# KiCad board px16_regfile.kicad_pcb (continued)
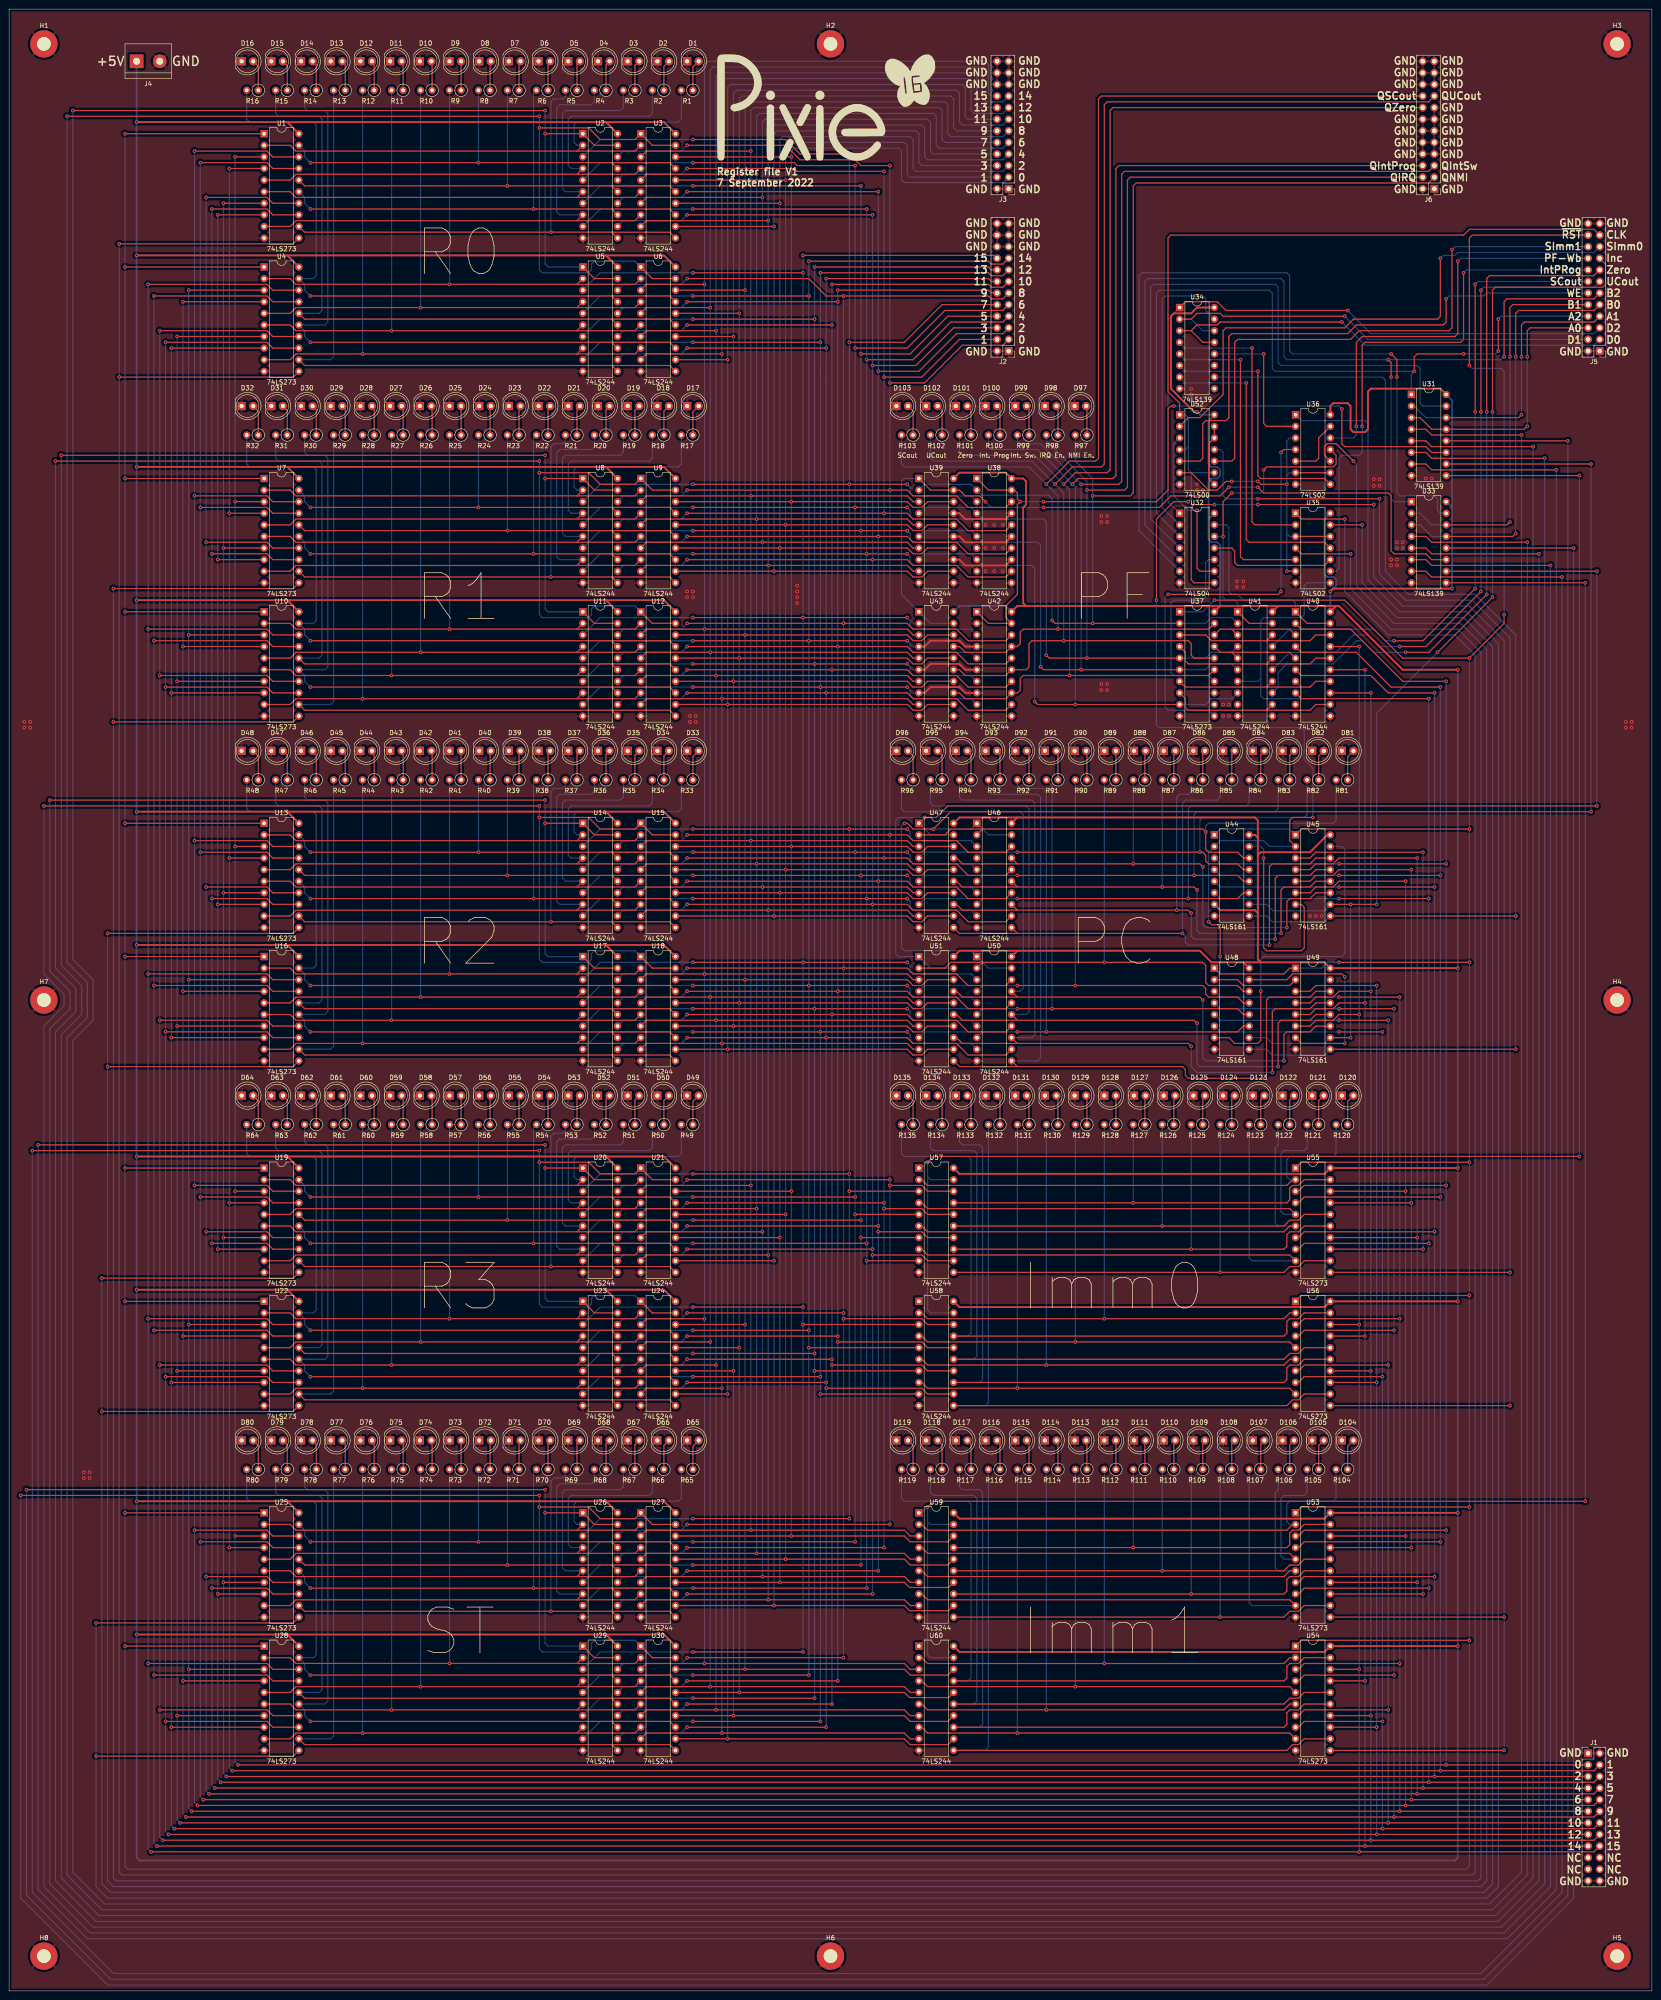
[diagram p0: board, top side]
## Routing (per net, layer and track width the routed paths; a pad name or vN(x,y) marks a point on that pad's centre or on a via; arc(x,y) is an arc through that point) (continued)
/Db4: length 1019.5
  Top w0.25: v1(44.44,390.53) 56.5,390.53 57.78,389.25 63.5,389.25 ; v1(44.45,88.26) 56.52,88.26 57.79,86.99 U25.13 ; U55.13 v1(309.88,162.56) ; v1(44.44,314.96) 56.5,314.96 57.78,313.69 63.5,313.69 ; 44.44,163.83 56.51,163.83 57.78,162.56 63.5,162.56 ; v1(45.08,44.45) v1(309.88,44.45) J1.7 ; 289.56,86.99 v1(309.88,86.99) ; v1(309.88,249.55) 286.38,249.55 285.12,248.28 U45.3 ; U13.13 57.78,238.12 56.5,239.4 v1(44.44,239.4)
  Bottom w0.25: v1(45.08,44.45) 44.45,45.08 v1(44.45,88.26) 44.44,88.27 44.44,163.83 ; v1(309.88,249.55) v1(309.88,162.56) v1(309.88,86.99) v1(309.88,44.45) ; v1(44.44,314.96) 44.44,239.4 ; v1(44.44,239.4) 44.44,163.84 v1(44.45,163.83) ; v1(44.44,390.53) 44.44,314.97
/Db5: length 1030.7
  Top w0.25: U25.14 57.79,89.53 56.52,90.8 v1(43.18,90.8) ; v1(43.17,393.07) 56.5,393.07 57.78,391.79 63.5,391.79 ; U55.14 v1(308.61,165.1) ; v1(308.61,248.28) 291.46,248.28 290.19,247.01 286.38,247.01 285.12,245.74 U45.4 ; 63.5,165.1 57.78,165.1 56.51,166.38 v1(43.17,166.38) ; v1(43.17,241.94) 56.5,241.94 57.78,240.66 U13.14 ; U53.14 v1(308.61,89.53) ; v1(43.81,43.18) v1(308.61,43.18) 347.34,43.18 J1.8 ; 63.5,316.23 57.78,316.23 56.5,317.5 v1(43.17,317.5)
  Bottom w0.25: v1(43.17,166.38) 43.18,166.37 v1(43.18,90.8) 43.18,43.81 v1(43.81,43.18) ; v1(43.17,393.07) 43.18,393.06 43.18,317.5 ; v1(308.61,43.18) v1(308.61,89.53) v1(308.61,165.1) v1(308.61,248.28) ; 43.18,241.93 43.18,317.5 ; 43.18,166.37 43.18,241.93 v1(43.17,241.94)
/Db6: length 1039.1
  Top w0.25: U53.17 v1(307.34,97.15) ; v1(41.9,249.56) 56.5,249.56 57.78,248.28 U13.17 ; 63.5,323.85 57.78,323.85 56.5,325.12 v1(41.9,325.12) ; v1(42.55,41.91) v1(307.34,41.91) J1.9 ; U55.17 v1(307.34,172.72) ; v1(41.91,98.42) 56.52,98.42 57.79,97.15 U25.17 ; 41.9,173.99 56.51,173.99 57.78,172.72 63.5,172.72 ; v1(41.9,400.69) 56.5,400.69 57.78,399.41 63.5,399.41 ; U45.5 285.12,243.2 286.38,244.47 290.19,244.47 291.46,245.74 v1(307.34,245.74)
  Bottom w0.25: v1(41.9,325.12) 41.9,249.56 ; v1(307.34,41.91) v1(307.34,97.15) v1(307.34,172.72) v1(307.34,245.74) ; v1(41.9,400.69) 41.9,325.13 ; v1(42.55,41.91) 41.91,42.54 v1(41.91,98.42) 41.9,98.43 41.9,173.99 ; 41.91,173.99 v1(41.91,173.99) 41.9,174 v1(41.9,249.56)
/Db7: length 1048.5
  Top w0.25: v1(40.63,252.1) 56.5,252.1 57.78,250.82 U13.18 ; J1.10 347.34,40.64 v1(306.07,40.64) v1(41.27,40.64) ; 63.5,326.39 57.78,326.39 56.5,327.66 v1(40.63,327.66) ; U53.18 v1(306.07,99.69) ; v1(40.64,100.96) 56.52,100.96 57.79,99.69 U25.18 ; 63.5,401.95 57.78,401.95 56.5,403.23 v1(40.63,403.23) ; U55.18 v1(306.07,175.26) ; v1(40.63,176.53) 56.51,176.53 57.78,175.26 63.5,175.26 ; v1(306.07,243.2) 291.46,243.2 290.19,241.93 286.38,241.93 285.12,240.66 U45.6
  Bottom w0.25: 40.64,327.66 40.64,403.22 v1(40.63,403.23) ; v1(40.63,252.1) 40.64,252.09 40.64,176.53 ; v1(306.07,40.64) v1(306.07,99.69) v1(306.07,175.26) v1(306.07,243.2) ; v1(40.63,176.53) 40.64,176.53 v1(40.64,100.96) 40.64,41.27 v1(41.27,40.64) ; v1(40.63,327.66) 40.64,327.66 40.64,252.09
/Db8: length 988.7
  Top w0.25: U56.3 282.57,146.05 283.84,147.32 v1(304.8,147.32) ; v1(40,39.37) v1(304.8,39.37) J1.11 ; U28.3 v1(39.37,70.48) ; 55.88,221.62 v1(39.36,221.62) ; U54.3 282.57,70.48 283.84,71.75 v1(304.8,71.75) ; 55.88,297.18 v1(39.36,297.18) ; 55.88,372.75 v1(39.36,372.75) ; v1(291.46,217.8) v1(304.8,217.8) ; 55.88,146.05 v1(39.36,146.05)
  Bottom w0.25: v1(39.36,146.05) 39.36,70.49 v1(39.37,70.48) 39.37,40 v1(40,39.37) ; v1(39.36,221.62) 39.36,146.06 ; v1(39.36,297.18) 39.36,221.62 ; U48.3 265.43,217.8 v1(291.46,217.8) ; v1(304.8,39.37) v1(304.8,71.75) v1(304.8,147.32) v1(304.8,217.8) ; v1(39.36,372.75) 39.36,297.19
/Db9: length 993
  Top w0.25: 55.88,294.64 v1(38.09,294.64) ; J1.12 347.34,38.1 v1(303.53,38.1) v1(38.73,38.1) ; v1(291.46,215.26) v1(303.53,215.26) ; 55.88,219.08 v1(38.09,219.08) ; 55.88,370.21 v1(38.09,370.21) ; U54.4 282.57,67.94 283.84,69.21 v1(303.53,69.21) ; 55.88,143.51 v1(38.09,143.51) ; U28.4 v1(38.1,67.94) ; U56.4 282.57,143.51 283.84,144.78 v1(303.53,144.78)
  Bottom w0.25: v1(38.09,143.51) 38.1,143.51 v1(38.1,67.94) 38.1,38.73 v1(38.73,38.1) ; v1(303.53,215.26) v1(303.53,144.78) v1(303.53,69.21) v1(303.53,38.1) ; 38.1,219.07 38.1,294.64 v1(38.09,294.64) ; U48.4 265.43,215.26 v1(291.46,215.26) ; v1(38.09,219.08) 38.1,219.07 38.1,143.51 ; v1(38.09,370.21) 38.1,370.2 38.1,294.64
/Db10: length 986.1
  Top w0.25: U28.7 v1(36.83,60.32) ; 55.88,362.59 v1(36.82,362.59) ; v1(302.26,61.59) 283.84,61.59 282.57,60.32 U54.7 ; U56.7 282.57,135.89 283.84,137.16 v1(302.26,137.16) ; 55.88,211.46 v1(36.82,211.46) ; 55.88,135.89 v1(36.82,135.89) ; v1(37.47,36.83) v1(302.26,36.83) J1.13 ; v1(291.46,212.72) v1(302.26,212.72) ; 55.88,287.02 v1(36.82,287.02)
  Bottom w0.25: v1(36.82,211.46) 36.82,135.9 ; U48.5 265.43,212.72 v1(291.46,212.72) ; v1(37.47,36.83) 36.83,37.46 v1(36.83,60.32) 36.82,60.33 v1(36.82,135.89) ; v1(302.26,212.72) v1(302.26,137.16) v1(302.26,61.59) v1(302.26,36.83) ; v1(36.82,362.59) 36.82,287.03 ; v1(36.82,287.02) 36.82,211.46
/Db11: length 990.5
  Top w0.25: U56.8 282.57,133.35 283.84,134.62 v1(300.99,134.62) ; 55.88,360.05 v1(35.55,360.05) ; v1(36.2,35.56) v1(300.99,35.56) 347.34,35.56 J1.14 ; U28.8 v1(35.56,57.78) ; v1(291.46,210.18) v1(300.99,210.18) ; 55.88,133.35 v1(35.55,133.35) ; 55.88,208.92 v1(35.55,208.92) ; 55.88,284.49 v1(35.55,284.49) ; v1(300.99,59.05) 283.84,59.05 282.57,57.78 U54.8
  Bottom w0.25: v1(300.99,35.56) v1(300.99,59.05) v1(300.99,134.62) v1(300.99,210.18) ; v1(36.2,35.56) 35.56,36.19 v1(35.56,57.78) 35.56,133.35 v1(35.55,133.35) ; 35.56,284.48 35.56,360.04 v1(35.55,360.05) ; 35.56,133.35 35.56,208.91 v1(35.55,208.92) ; U48.6 265.43,210.18 v1(291.46,210.18) ; v1(35.55,284.49) 35.56,284.48 35.56,208.91
/Db12: length 1011.8
  Top w0.25: v1(34.29,59.05) 56.52,59.05 57.78,57.78 U28.13 ; v1(34.28,134.62) 56.51,134.62 57.78,133.35 63.5,133.35 ; 63.5,208.92 57.77,208.92 56.5,210.19 v1(34.28,210.19) ; v1(34.28,285.75) 56.5,285.75 57.77,284.49 63.5,284.49 ; v1(299.72,220.34) 286.38,220.34 285.12,219.07 U49.3 ; U56.13 v1(299.72,133.35) ; v1(34.28,361.32) 56.5,361.32 57.77,360.05 63.5,360.05 ; J1.15 v1(299.72,34.29) v1(34.92,34.29) ; U54.13 v1(299.72,57.78)
  Bottom w0.25: v1(34.28,361.32) 34.28,285.76 ; v1(34.28,210.19) 34.28,134.63 ; v1(34.28,285.75) 34.28,210.19 ; v1(34.92,34.29) 34.29,34.92 v1(34.29,59.05) 34.28,59.06 v1(34.28,134.62) ; v1(299.72,220.34) v1(299.72,133.35) v1(299.72,57.78) v1(299.72,34.29)
/Db13: length 1097.4
  Top w0.25: U49.4 285.12,216.53 286.38,217.8 290.19,217.8 291.46,219.07 v1(298.45,219.07) ; 63.5,362.59 57.77,362.59 56.5,363.86 v1(33.01,363.86) ; U56.14 v1(298.45,135.89) ; v1(33.01,137.16) 56.51,137.16 57.78,135.89 63.5,135.89 ; J1.16 347.34,33.02 v1(298.45,33.02) v1(33.66,33.02) ; v1(33.01,288.29) 56.5,288.29 57.77,287.02 63.5,287.02 ; v1(33.01,212.73) 56.5,212.73 57.77,211.46 63.5,211.46 ; U40.13 v1(298.45,284.48) ; U28.14 57.78,60.32 56.52,61.59 v1(33.02,61.59) ; U54.14 v1(298.45,60.32)
  Bottom w0.25: 33.02,212.72 33.02,288.29 v1(33.01,288.29) ; v1(298.45,284.48) v1(298.45,219.07) v1(298.45,135.89) v1(298.45,60.32) v1(298.45,33.02) ; 33.02,137.16 33.02,212.72 v1(33.01,212.73) ; v1(33.01,137.16) 33.02,137.16 v1(33.02,61.59) 33.02,33.65 v1(33.66,33.02) ; 33.02,288.29 33.02,363.85 v1(33.01,363.86)
/Db14: length 1112.1
  Top w0.25: J1.17 v1(297.18,31.75) v1(32.38,31.75) ; v1(31.74,295.91) 56.5,295.91 57.77,294.64 63.5,294.64 ; 63.5,370.21 57.77,370.21 56.5,371.48 v1(31.74,371.48) ; 63.5,219.08 57.77,219.08 56.5,220.35 v1(31.74,220.35) ; U56.17 v1(297.18,143.51) ; 63.5,143.51 57.78,143.51 56.51,144.78 v1(31.74,144.78) ; v1(297.18,216.53) 291.46,216.53 290.19,215.26 286.38,215.26 285.12,213.99 U49.5 ; U28.17 57.78,67.94 56.52,69.21 v1(31.75,69.21) ; U40.15 v1(297.18,289.56) ; U54.17 v1(297.18,67.94)
  Bottom w0.25: v1(31.74,295.91) 31.74,220.35 ; v1(297.18,31.75) v1(297.18,67.94) v1(297.18,143.51) v1(297.18,216.53) v1(297.18,289.56) ; v1(31.74,220.35) 31.74,144.79 ; v1(32.38,31.75) 31.75,32.38 v1(31.75,69.21) 31.74,69.22 v1(31.74,144.78) ; v1(31.74,371.48) 31.74,295.92
/Db15: length 1127.9
  Top w0.25: 63.5,146.05 57.78,146.05 56.51,147.32 v1(30.47,147.32) ; 63.5,221.62 57.77,221.62 56.5,222.89 v1(30.47,222.89) ; v1(30.47,374.02) 56.5,374.02 57.77,372.75 63.5,372.75 ; v1(295.91,213.99) 291.46,213.99 290.19,212.72 286.38,212.72 285.12,211.45 U49.6 ; v1(30.47,298.45) 56.5,298.45 57.77,297.18 63.5,297.18 ; U56.18 v1(295.91,146.05) ; U40.17 v1(295.91,294.64) ; v1(30.48,71.75) 56.52,71.75 57.78,70.48 U28.18 ; U54.18 v1(295.91,70.48) ; v1(31.11,30.48) v1(295.91,30.48) 347.34,30.48 J1.18
  Bottom w0.25: 30.48,222.88 30.48,298.45 v1(30.47,298.45) ; v1(30.47,147.32) 30.48,147.32 v1(30.48,71.75) 30.48,31.11 v1(31.11,30.48) ; v1(30.47,374.02) 30.48,374.01 30.48,298.45 ; 30.48,147.32 30.48,222.88 v1(30.47,222.89) ; v1(295.91,30.48) v1(295.91,70.48) v1(295.91,146.05) v1(295.91,213.99) v1(295.91,294.64)
/DIntProg: length 38
  Top w0.25: U40.12 286.38,281.94 285.12,280.67 275.59,280.67 ; 275.59,280.67 258.44,280.67 257.81,281.3 257.81,283.21 U37.8 ; 275.59,280.67 U41.12
/DIntSw: length 35.9
  Top w0.25: 275.59,285.75 U41.14 ; 275.59,285.75 257.81,285.75 U37.7 ; 275.59,285.75 285.12,285.75 286.38,287.02 U40.14
/DIRQ: length 38
  Top w0.25: U40.16 286.38,292.1 285.12,290.83 275.59,290.83 ; 275.59,290.83 U41.16 ; 275.59,290.83 258.44,290.83 257.81,291.46 257.81,293.37 U37.4
/DNMI: length 35.9
  Top w0.25: 275.59,295.91 U41.18 ; 275.59,295.91 285.12,295.91 286.38,297.18 U40.18 ; 275.59,295.91 263.52,295.91 262.25,297.18 U37.3
/DSCout: length 20.6
  Top w0.25: 267.97,298.45 U41.3 ; 267.97,298.45 265.43,298.45 U37.18 ; 267.97,298.45 280.67,298.45 U40.3
/DUCout: length 20.6
  Top w0.25: U37.17 265.43,293.37 267.97,293.37 ; U40.5 280.67,293.37 267.97,293.37 ; 267.97,293.37 U41.5
/DZero: length 57.3
  Bottom w0.25: U35.8 284.48,308.61 283.84,307.97 283.84,301.62 283.21,300.99 274.95,300.99 274.32,300.35 274.32,287.65 ; U40.7 283.21,285.75 283.21,283.84 282.57,283.21 274.95,283.21 274.32,283.84 274.32,287.65 ; 274.32,287.65 273.69,287.02 U41.7
/Imm-WEa: length 431.1
  Top w0.25: v1(327.66,81.91) U53.11 ; v1(264.16,325.75) 259.71,325.75 259.08,325.12 259.08,309.25 259.71,308.61 U32.8 ; U54.11 v1(327.66,52.7) ; v1(299.08,325.75) v1(273.69,325.75)
  Bottom w0.25: v1(273.69,325.75) v1(264.16,325.75) ; v1(299.08,325.75) 299.08,309.88 305.44,303.53 320.04,303.53 327.66,295.91 v1(327.66,81.91) v1(327.66,52.7)
/Imm-WEb: length 344.1
  Top w0.25: v1(273.69,327.02) v1(300.35,327.02) ; U56.11 v1(328.93,128.27) ; v1(328.93,157.48) U55.11
  Bottom w0.25: v1(328.93,128.27) v1(328.93,157.48) 328.93,296.54 320.68,304.8 306.07,304.8 300.35,310.51 v1(300.35,327.02) ; U52.11 265.43,337.82 266.06,337.18 266.06,327.66 266.7,327.02 v1(273.69,327.02)
/ImmQa0: length 107.3
  Top w0.25: U55.2 281.31,177.8 280.03,176.53 201.3,176.53 200.02,177.8 U57.2
  Bottom w0.25: U55.2 280.67,177.8 280.03,178.43 280.03,182.24 280.67,182.88 290.19,182.88 290.83,183.51 R120.2
/ImmQa1: length 111.1
  Top w0.25: U57.4 200.02,172.72 201.3,171.45 280.67,171.45 U55.5
  Bottom w0.25: U55.5 279.4,170.18 278.76,170.81 278.76,183.51 279.4,184.15 283.84,184.15 284.48,184.78 R121.2
/ImmQa2: length 110.2
  Top w0.25: U55.6 280.67,167.64 279.4,166.37 201.3,166.37 200.02,167.64 U57.6
  Bottom w0.25: U55.6 278.13,167.64 277.5,168.27 277.5,184.78 278.13,185.42 R122.2
/ImmQa3: length 123.2
  Top w0.25: U57.8 200.02,162.56 201.3,161.29 280.67,161.29 U55.9
  Bottom w0.25: U55.9 272.41,160.02 271.78,160.65 R123.2
/ImmQa4: length 116
  Top w0.25: U55.12 283.84,160.02 282.57,158.75 280.67,158.75 279.4,157.48 v1(265.43,157.48) U57.11
  Bottom w0.25: R124.2 v1(265.43,157.48)
/ImmQa5: length 113.4
  Top w0.25: U57.13 v1(259.08,162.56) 279.4,162.56 280.03,163.19 280.03,165.73 280.67,166.37 282.57,166.37 283.84,167.64 U55.15
  Bottom w0.25: R125.2 v1(259.08,162.56)
/ImmQa6: length 105.8
  Top w0.25: U55.16 283.84,170.18 282.57,168.91 280.67,168.91 279.4,167.64 v1(252.73,167.64) U57.15
  Bottom w0.25: R126.2 v1(252.73,167.64)
/ImmQa7: length 103.3
  Top w0.25: U55.19 283.84,177.8 282.57,176.53 281.31,176.53 280.67,175.89 280.67,173.35 280.03,172.72 U57.17
  Bottom w0.25: R127.2 v1(246.38,172.72)
/ImmQa8: length 126.1
  Top w0.25: U58.2 200.02,148.59 201.3,147.32 v1(240.03,147.32) 279.4,147.32 280.67,148.59 U56.2
  Bottom w0.25: R128.2 v1(240.03,147.32)
/ImmQa9: length 131.2
  Top w0.25: U56.5 280.67,142.24 v1(233.68,142.24) 201.3,142.24 200.02,143.51 U58.4
  Bottom w0.25: R129.2 v1(233.68,142.24)
/ImmQa10: length 136.3
  Top w0.25: U58.6 200.02,138.43 201.3,137.16 v1(227.33,137.16) 279.4,137.16 280.67,138.43 U56.6
  Bottom w0.25: R130.2 v1(227.33,137.16)
/ImmQa11: length 141.4
  Top w0.25: U58.8 200.02,133.35 201.3,132.08 280.67,132.08 U56.9
  Bottom w0.25: R131.2 v1(220.98,132.08)
/ImmQa12: length 152.4
  Top w0.25: U56.12 283.84,130.81 282.57,129.54 281.31,129.54 280.03,128.27 U58.11
  Bottom w0.25: R132.2 214.63,128.9 214,128.27 U58.11
/ImmQa13: length 153
  Top w0.25: U58.13 279.4,133.35 280.03,133.98 280.03,136.52 280.67,137.16 282.57,137.16 283.84,138.43 U56.15
  Bottom w0.25: R133.2 208.28,186.05 208.92,185.42 212.73,185.42 213.36,184.78 213.36,133.98 212.73,133.35 U58.13
/ImmQa14: length 149.2
  Top w0.25: U56.16 283.84,140.97 282.57,139.7 280.67,139.7 279.4,138.43 U58.15
  Bottom w0.25: U58.15 211.45,138.43 212.09,139.06 212.09,183.51 211.45,184.15 202.56,184.15 201.93,184.78 R134.2
/ImmQa15: length 150.4
  Top w0.25: U58.17 279.4,143.51 280.03,144.14 280.03,146.68 280.67,147.32 282.57,147.32 283.84,148.59 U56.19
  Bottom w0.25: R135.2 195.58,183.51 196.21,182.88 210.19,182.88 210.82,182.24 210.82,144.14 210.19,143.51 U58.17
/ImmQb0: length 107.3
  Top w0.25: U59.2 200.02,102.23 201.3,100.96 280.03,100.96 281.31,102.23 U53.2
  Bottom w0.25: R104.2 290.83,107.95 290.19,107.31 280.67,107.31 280.03,106.68 280.03,102.87 280.67,102.23 U53.2
/ImmQb1: length 111.1
  Top w0.25: U59.4 200.02,97.15 201.3,95.88 280.67,95.88 U53.5
  Bottom w0.25: R105.2 284.48,109.22 283.84,108.58 279.4,108.58 278.76,107.95 278.76,95.25 279.4,94.61 U53.5
/ImmQb2: length 110.2
  Top w0.25: U59.6 200.02,92.07 201.3,90.8 279.4,90.8 280.67,92.07 U53.6
  Bottom w0.25: U53.6 278.13,92.07 277.5,92.71 277.5,109.22 278.13,109.85 R106.2
/ImmQb3: length 123.2
  Top w0.25: U53.9 280.67,85.72 201.3,85.72 200.02,86.99 199.39,86.99
  Bottom w0.25: R107.2 271.78,85.09 272.41,84.45 U53.9
/ImmQb4: length 116
  Top w0.25: U59.11 v1(265.43,81.91) 279.4,81.91 280.67,83.18 282.57,83.18 283.84,84.45 U53.12
  Bottom w0.25: R108.2 v1(265.43,81.91)
/ImmQb5: length 113.4
  Top w0.25: 207.01,86.99 v1(259.08,86.99) 279.4,86.99 280.03,87.63 280.03,90.17 280.67,90.8 282.57,90.8 283.84,92.07 U53.15
  Bottom w0.25: R109.2 v1(259.08,86.99)
/ImmQb6: length 105.8
  Top w0.25: U59.15 v1(252.73,92.07) 279.4,92.07 280.67,93.34 282.57,93.34 283.84,94.61 U53.16
  Bottom w0.25: R110.2 v1(252.73,92.07)
/ImmQb7: length 103.3
  Top w0.25: U53.19 283.84,102.23 282.57,100.96 281.31,100.96 280.67,100.33 280.67,97.79 280.03,97.15 U59.17
  Bottom w0.25: R111.2 v1(246.38,97.15)
/ImmQb8: length 126.1
  Top w0.25: U54.2 280.67,73.02 279.4,71.75 v1(240.03,71.75) 201.3,71.75 200.02,73.02 U60.2
  Bottom w0.25: R112.2 v1(240.03,71.75)
/ImmQb9: length 131.2
  Top w0.25: U54.5 280.67,66.67 v1(233.68,66.67) 201.3,66.67 200.02,67.94 U60.4
  Bottom w0.25: R113.2 v1(233.68,66.67)
/ImmQb10: length 136.3
  Top w0.25: U54.6 280.67,62.86 279.4,61.59 v1(227.33,61.59) 201.3,61.59 200.02,62.86 U60.6
  Bottom w0.25: R114.2 v1(227.33,61.59)
/ImmQb11: length 141.4
  Top w0.25: U54.9 280.67,56.51 201.3,56.51 200.02,57.78 U60.8
  Bottom w0.25: R115.2 v1(220.98,56.51)
/ImmQb12: length 152.4
  Top w0.25: U60.11 280.03,52.7 281.31,53.97 282.57,53.97 283.84,55.24 U54.12
  Bottom w0.25: R116.2 214.63,53.34 214,52.7 U60.11
/ImmQb13: length 153
  Top w0.25: U54.15 283.84,62.86 282.57,61.59 280.67,61.59 280.03,60.96 280.03,58.42 279.4,57.78 U60.13
  Bottom w0.25: R117.2 208.28,110.49 208.92,109.85 212.73,109.85 213.36,109.22 213.36,58.42 212.73,57.78 U60.13
/ImmQb14: length 149.2
  Top w0.25: U60.15 279.4,62.86 280.67,64.13 282.57,64.13 283.84,65.4 U54.16
  Bottom w0.25: R118.2 201.93,109.22 202.56,108.58 211.45,108.58 212.09,107.95 212.09,63.5 211.45,62.86 U60.15
/ImmQb15: length 150.4
  Top w0.25: U54.19 283.84,73.02 282.57,71.75 280.67,71.75 280.03,71.12 280.03,68.58 279.4,67.94 U60.17
  Bottom w0.25: U60.17 210.19,67.94 210.82,68.58 210.82,106.68 210.19,107.31 196.21,107.31 195.58,107.95 R119.2
/Inc: length 258.3
  Top w0.25: U45.10 v1(294,238.12) v1(299.72,238.12) ; U49.10 v1(294,208.91) ; v1(325.12,346.07) 325.12,372.75 325.75,373.38 349.25,373.38 349.88,374.01 349.88,378.46 J5.17 ; v1(325.12,305.43) v1(313.06,293.37)
  Bottom w0.25: v1(299.72,238.12) 299.72,280.03 v1(313.06,293.37) ; v1(294,208.91) v1(294,238.12) ; U44.10 275.59,238.12 277.01,236.71 288.14,236.71 U45.10 ; U48.10 275.59,208.91 276.86,207.64 288.29,207.64 U49.10 ; v1(325.12,346.07) v1(325.12,305.43)
/IntProg: length 120.3
  Top w0.25: v1(296.54,342.9) 296.54,360.68 297.18,361.31 318.13,361.31 318.77,361.95 v1(318.77,376.55)
  Bottom w0.25: v1(296.54,342.9) 296.54,337.18 295.91,336.55 292.1,336.55 291.46,335.91 291.46,311.78 290.83,311.15 U35.9 ; v1(318.77,376.55) 319.4,377.19 J5.16
/PbA0: length 705.4
  Top w0.25: v1(193.04,352.42) 200.66,352.42 208.92,360.68 217.81,360.68 J2.3 ; v1(148.59,177.8) v1(193.04,177.8) ; v1(193.04,400.05) 186.69,400.05 185.42,401.32 173.36,401.32 170.18,404.5 v1(148.59,404.5) ; U57.18 201.3,175.26 200.02,176.53 v1(193.04,176.53) ; v1(148.59,328.93) v1(193.04,328.93) 196.85,328.93 198.12,327.66 207.64,327.66 210.19,325.12 218.44,325.12 U38.18 ; v1(148.59,102.23) v1(193.04,102.23) ; U46.18 218.44,249.55 210.19,249.55 207.64,252.09 198.12,252.09 196.85,253.36 v1(193.04,253.36) v1(148.59,253.36)
  Bottom w0.25: v1(193.04,400.05) v1(193.04,352.42) v1(193.04,328.93) v1(193.04,253.36) v1(193.04,177.8) v1(193.04,176.53) v1(193.04,102.23) ; U14.18 134.62,252.09 147.32,252.09 v1(148.59,253.36) ; 133.35,326.39 134.62,327.66 147.32,327.66 v1(148.59,328.93) ; U26.18 134.62,100.96 147.32,100.96 v1(148.59,102.23) ; v1(148.59,404.5) 147.32,403.22 134.62,403.22 133.35,401.95 ; v1(148.59,177.8) 147.32,176.53 134.62,176.53 133.35,175.26
/PbA1: length 703.3
  Top w0.25: J2.4 208.28,361.95 200.02,353.69 v1(191.77,353.69) ; U46.16 218.44,244.47 210.19,244.47 207.64,247.01 198.12,247.01 196.85,248.28 v1(191.77,248.28) v1(148.59,248.28) ; v1(148.59,399.41) 172.08,399.41 172.72,398.78 v1(191.77,398.78) ; v1(191.77,171.45) 200.02,171.45 201.3,170.18 U57.16 ; U38.16 218.44,320.04 210.19,320.04 207.64,322.58 198.12,322.58 196.85,323.85 v1(191.77,323.85) v1(148.59,323.85) ; v1(148.59,97.15) v1(191.77,97.15) ; v1(148.59,172.72) v1(191.77,172.72)
  Bottom w0.25: v1(191.77,398.78) v1(191.77,353.69) v1(191.77,323.85) v1(191.77,248.28) v1(191.77,172.72) v1(191.77,97.15) ; v1(148.59,399.41) 147.32,398.14 134.62,398.14 133.35,396.88 ; U26.16 134.62,95.88 147.32,95.88 v1(148.59,97.15) ; v1(148.59,248.28) 147.32,247.01 134.62,247.01 U14.16 ; v1(148.59,323.85) 147.32,322.58 134.62,322.58 133.35,321.31 ; v1(148.59,172.72) 147.32,171.45 134.62,171.45 133.35,170.18
/PbA2: length 705.5
  Top w0.25: U38.14 218.44,314.96 210.19,314.96 207.64,317.5 198.12,317.5 196.85,318.77 v1(190.5,318.77) v1(148.59,318.77) ; U46.14 218.44,239.39 210.19,239.39 207.64,241.93 198.12,241.93 196.85,243.2 v1(190.5,243.2) v1(148.59,243.2) ; v1(148.59,92.07) v1(190.5,92.07) ; U57.14 201.3,165.1 200.02,166.37 v1(190.5,166.37) ; v1(148.59,167.64) v1(190.5,167.64) ; v1(148.59,394.33) v1(190.5,394.33) ; J2.5 217.81,363.22 207.64,363.22 199.39,354.96 v1(190.5,354.96)
  Bottom w0.25: 133.35,391.79 134.62,393.06 147.32,393.06 v1(148.59,394.33) ; v1(148.59,318.77) 147.32,317.5 134.62,317.5 133.35,316.23 ; U14.14 134.62,241.93 147.32,241.93 v1(148.59,243.2) ; v1(190.5,92.07) v1(190.5,167.64) v1(190.5,243.2) v1(190.5,318.77) v1(190.5,354.96) v1(190.5,394.33) ; 133.35,165.1 134.62,166.37 147.32,166.37 v1(148.59,167.64) ; U26.14 134.62,90.8 147.32,90.8 v1(148.59,92.07)
/PbA3: length 701.1
  Top w0.25: v1(189.23,356.24) 198.75,356.24 207.01,364.49 J2.6 ; v1(148.59,238.12) v1(189.23,238.12) 196.85,238.12 198.12,236.85 207.64,236.85 210.19,234.31 218.44,234.31 U46.12 ; v1(148.59,313.69) v1(189.23,313.69) 196.85,313.69 198.12,312.42 207.64,312.42 210.19,309.88 218.44,309.88 U38.12 ; v1(148.59,389.25) v1(189.23,389.25) ; v1(189.23,161.29) 200.02,161.29 201.3,160.02 U57.12 ; v1(148.59,86.99) v1(189.23,86.99) ; v1(148.59,162.56) v1(189.23,162.56)
  Bottom w0.25: v1(189.23,86.99) v1(189.23,162.56) v1(189.23,238.12) v1(189.23,313.69) v1(189.23,356.24) v1(189.23,389.25) ; v1(148.59,313.69) 147.32,312.42 134.62,312.42 133.35,311.15 ; U26.12 134.62,85.72 147.32,85.72 v1(148.59,86.99) ; 133.35,160.02 134.62,161.29 147.32,161.29 v1(148.59,162.56) ; U14.12 134.62,236.85 147.32,236.85 v1(148.59,238.12) ; 133.35,386.71 134.62,387.98 147.32,387.98 v1(148.59,389.25)
/PbA4: length 720.7
  Top w0.25: v1(149.86,390.52) v1(187.96,390.52) ; v1(187.96,357.5) 198.12,357.5 206.38,365.76 217.81,365.76 J2.7 ; v1(149.86,314.96) v1(187.96,314.96) v1(196.85,314.96) ; v1(149.86,163.83) v1(187.96,163.83) ; v1(149.86,239.39) v1(187.96,239.39) v1(196.85,239.39) ; U57.9 v1(187.96,160.02) ; v1(149.86,88.26) v1(187.96,88.26)
  Bottom w0.25: v1(196.85,314.96) 197.49,314.32 197.49,313.05 198.12,312.42 210.82,312.42 U38.9 ; 125.73,160.02 129.54,163.83 v1(149.86,163.83) ; v1(149.86,314.96) 129.54,314.96 125.73,311.15 ; U46.9 210.82,236.85 198.12,236.85 197.49,237.49 197.49,238.76 v1(196.85,239.39) ; 125.73,386.71 129.54,390.52 v1(149.86,390.52) ; v1(187.96,88.26) v1(187.96,163.83) v1(187.96,239.39) v1(187.96,314.96) v1(187.96,357.5) v1(187.96,390.52) ; v1(149.86,239.39) 129.54,239.39 U14.9 ; v1(149.86,88.26) 129.54,88.26 U26.9
/PbA5: length 716.4
  Top w0.25: v1(186.69,358.77) 197.49,358.77 205.74,367.03 J2.8 ; U57.7 v1(186.69,165.1) ; v1(149.86,320.04) v1(186.69,320.04) v1(196.85,320.04) ; v1(149.86,93.34) v1(186.69,93.34) ; v1(149.86,168.91) v1(186.69,168.91) ; v1(196.85,244.47) v1(186.69,244.47) v1(149.86,244.47) ; v1(149.86,395.6) v1(186.69,395.6)
  Bottom w0.25: v1(149.86,168.91) 129.54,168.91 125.73,165.1 ; U14.7 129.54,244.47 v1(149.86,244.47) ; v1(196.85,244.47) 197.49,243.84 197.49,242.57 198.12,241.93 210.82,241.93 U46.7 ; 125.73,391.79 129.54,395.6 v1(149.86,395.6) ; v1(186.69,93.34) v1(186.69,165.1) v1(186.69,168.91) v1(186.69,244.47) v1(186.69,320.04) v1(186.69,358.77) v1(186.69,395.6) ; U38.7 210.82,317.5 198.12,317.5 197.49,318.13 197.49,319.4 v1(196.85,320.04) ; v1(149.86,93.34) 129.54,93.34 U26.7 ; v1(149.86,320.04) 129.54,320.04 125.73,316.23
/PbA6: length 717.8
  Top w0.25: v1(149.86,173.99) v1(185.42,173.99) ; v1(185.42,360.04) 196.85,360.04 205.11,368.3 217.81,368.3 J2.9 ; v1(149.86,400.68) 172.08,400.68 172.72,400.05 v1(185.42,400.05) ; U57.5 v1(185.42,170.18) ; v1(149.86,325.12) v1(185.42,325.12) v1(196.85,325.12) ; v1(149.86,98.42) v1(185.42,98.42) ; v1(196.85,249.55) v1(185.42,249.55) v1(149.86,249.55)
  Bottom w0.25: v1(196.85,249.55) 197.49,248.92 197.49,247.65 198.12,247.01 210.82,247.01 U46.5 ; v1(149.86,98.42) 129.54,98.42 U26.5 ; 125.73,396.88 129.54,400.68 v1(149.86,400.68) ; 125.73,321.31 129.54,325.12 v1(149.86,325.12) ; v1(196.85,325.12) 197.49,324.49 197.49,323.21 198.12,322.58 210.82,322.58 U38.5 ; v1(185.42,98.42) v1(185.42,170.18) v1(185.42,173.99) v1(185.42,249.55) v1(185.42,325.12) v1(185.42,360.04) v1(185.42,400.05) ; v1(149.86,173.99) 129.54,173.99 125.73,170.18 ; v1(149.86,249.55) 129.54,249.55 U14.5
/PbA7: length 712
  Top w0.25: v1(149.86,179.07) v1(184.15,179.07) ; J2.10 204.47,369.57 196.21,361.31 v1(184.15,361.31) ; v1(196.85,330.2) v1(184.15,330.2) v1(149.86,330.2) ; v1(184.15,402.59) 173.36,402.59 170.18,405.76 v1(149.86,405.76) ; v1(149.86,103.5) v1(184.15,103.5) ; v1(149.86,254.63) v1(184.15,254.63) v1(196.85,254.63) ; U57.3 v1(184.15,175.26)
  Bottom w0.25: v1(196.85,330.2) 197.49,329.56 197.49,328.29 198.12,327.66 210.82,327.66 U38.3 ; v1(184.15,402.59) v1(184.15,361.31) v1(184.15,330.2) v1(184.15,254.63) v1(184.15,179.07) v1(184.15,175.26) v1(184.15,103.5) ; v1(149.86,330.2) 129.54,330.2 125.73,326.39 ; v1(149.86,405.76) 129.54,405.76 125.73,401.95 ; v1(196.85,254.63) 197.49,254 197.49,252.73 198.12,252.09 210.82,252.09 U46.3 ; v1(149.86,179.07) 129.54,179.07 125.73,175.26 ; U14.3 129.54,254.63 v1(149.86,254.63) ; U26.3 129.54,103.5 v1(149.86,103.5)
/PbA8: length 692.4
  Top w0.25: v1(148.59,224.15) v1(182.88,224.15) 196.85,224.15 198.12,222.88 207.64,222.88 210.19,220.34 218.44,220.34 219.71,221.61 ; v1(148.59,73.02) v1(182.88,73.02) ; J2.11 217.81,370.84 215.26,370.84 214.63,371.47 v1(182.88,371.47) 179.07,371.47 175.26,375.28 v1(148.59,375.28) ; v1(148.59,148.59) v1(182.88,148.59) ; v1(182.88,147.32) 200.02,147.32 201.3,146.05 U58.18 ; v1(148.59,299.72) v1(182.88,299.72) 196.85,299.72 198.12,298.45 207.64,298.45 210.19,295.91 218.44,295.91 U42.18